# Altium PCB KS_V3S_0.2.PcbDoc
Units mil, origin at the board's own origin, x right, y up, seen from the top; angles counter-clockwise.
Board outline 1913 x 1376 mil, 2 copper layers (Top Layer, Bottom Layer), stack 61.756 mil thick; 130 components, 130 nets, 610 pads, 149 vias.
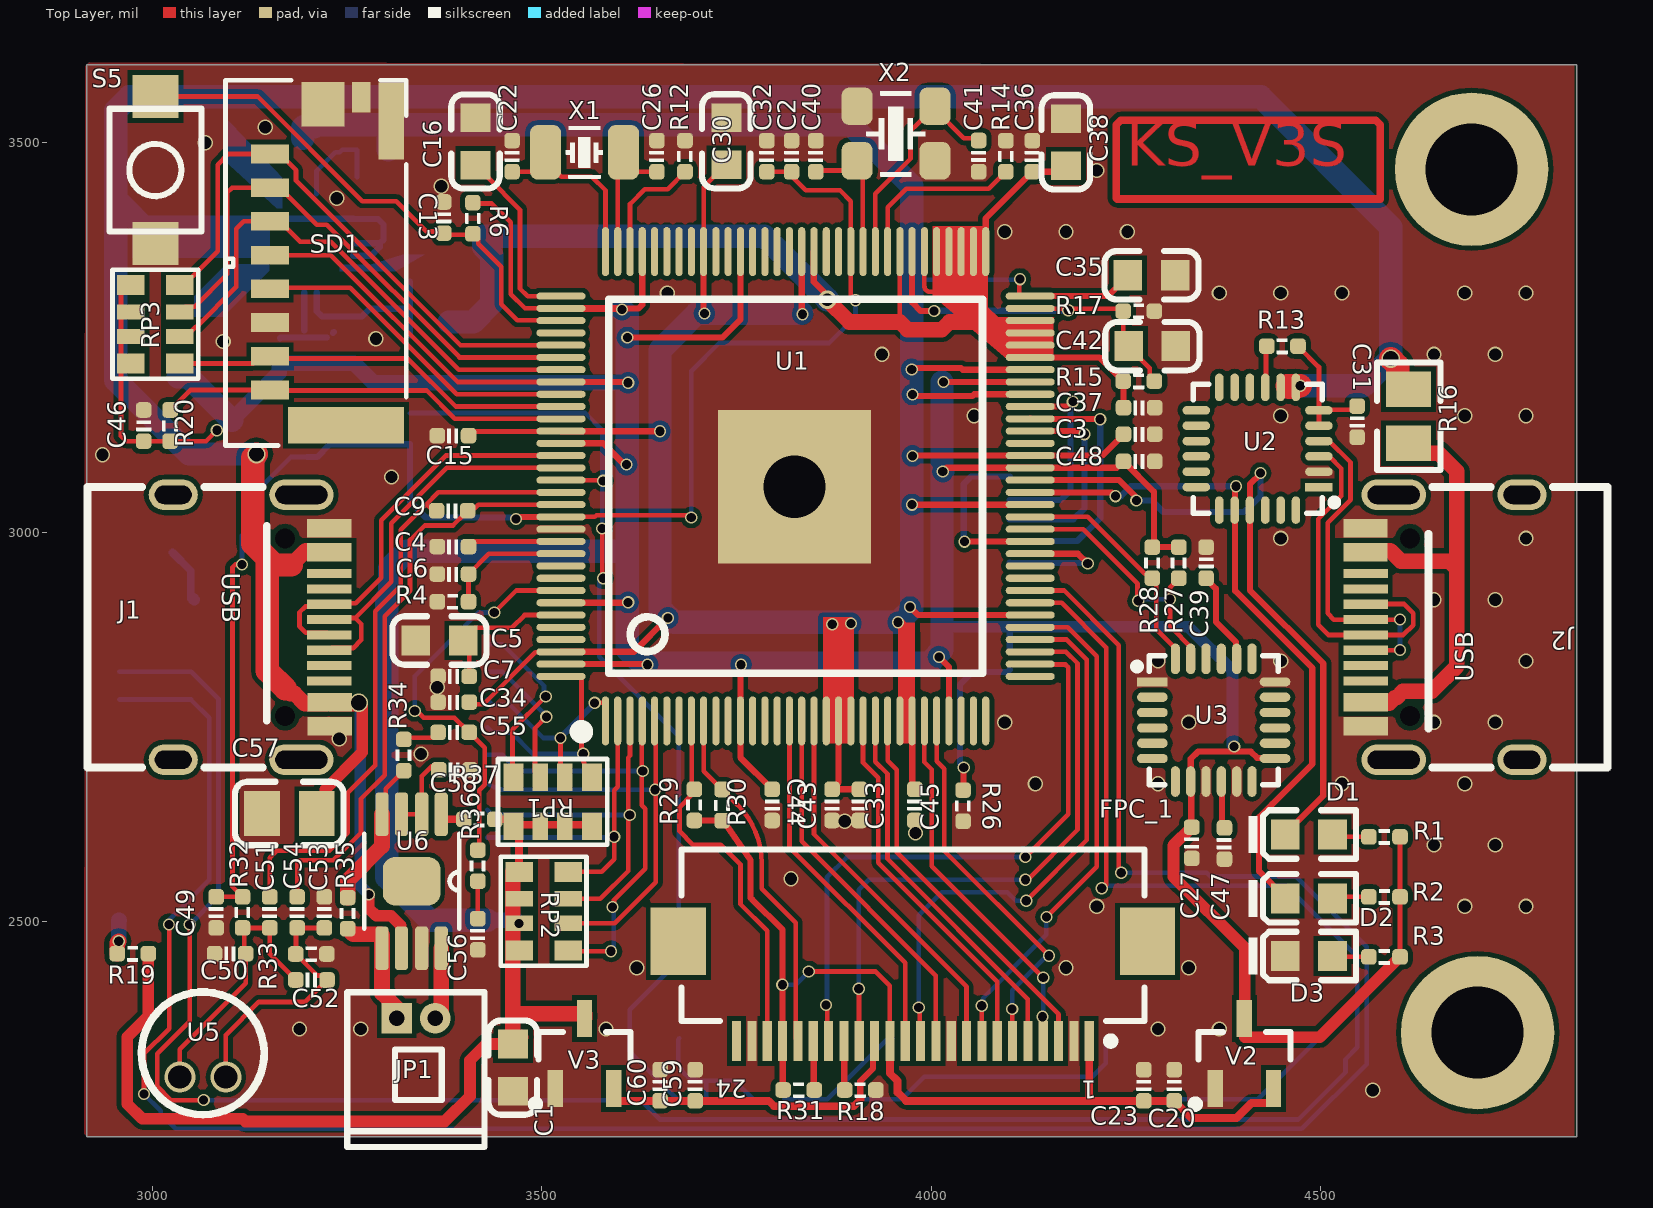
[diagram p0: Top Layer view]
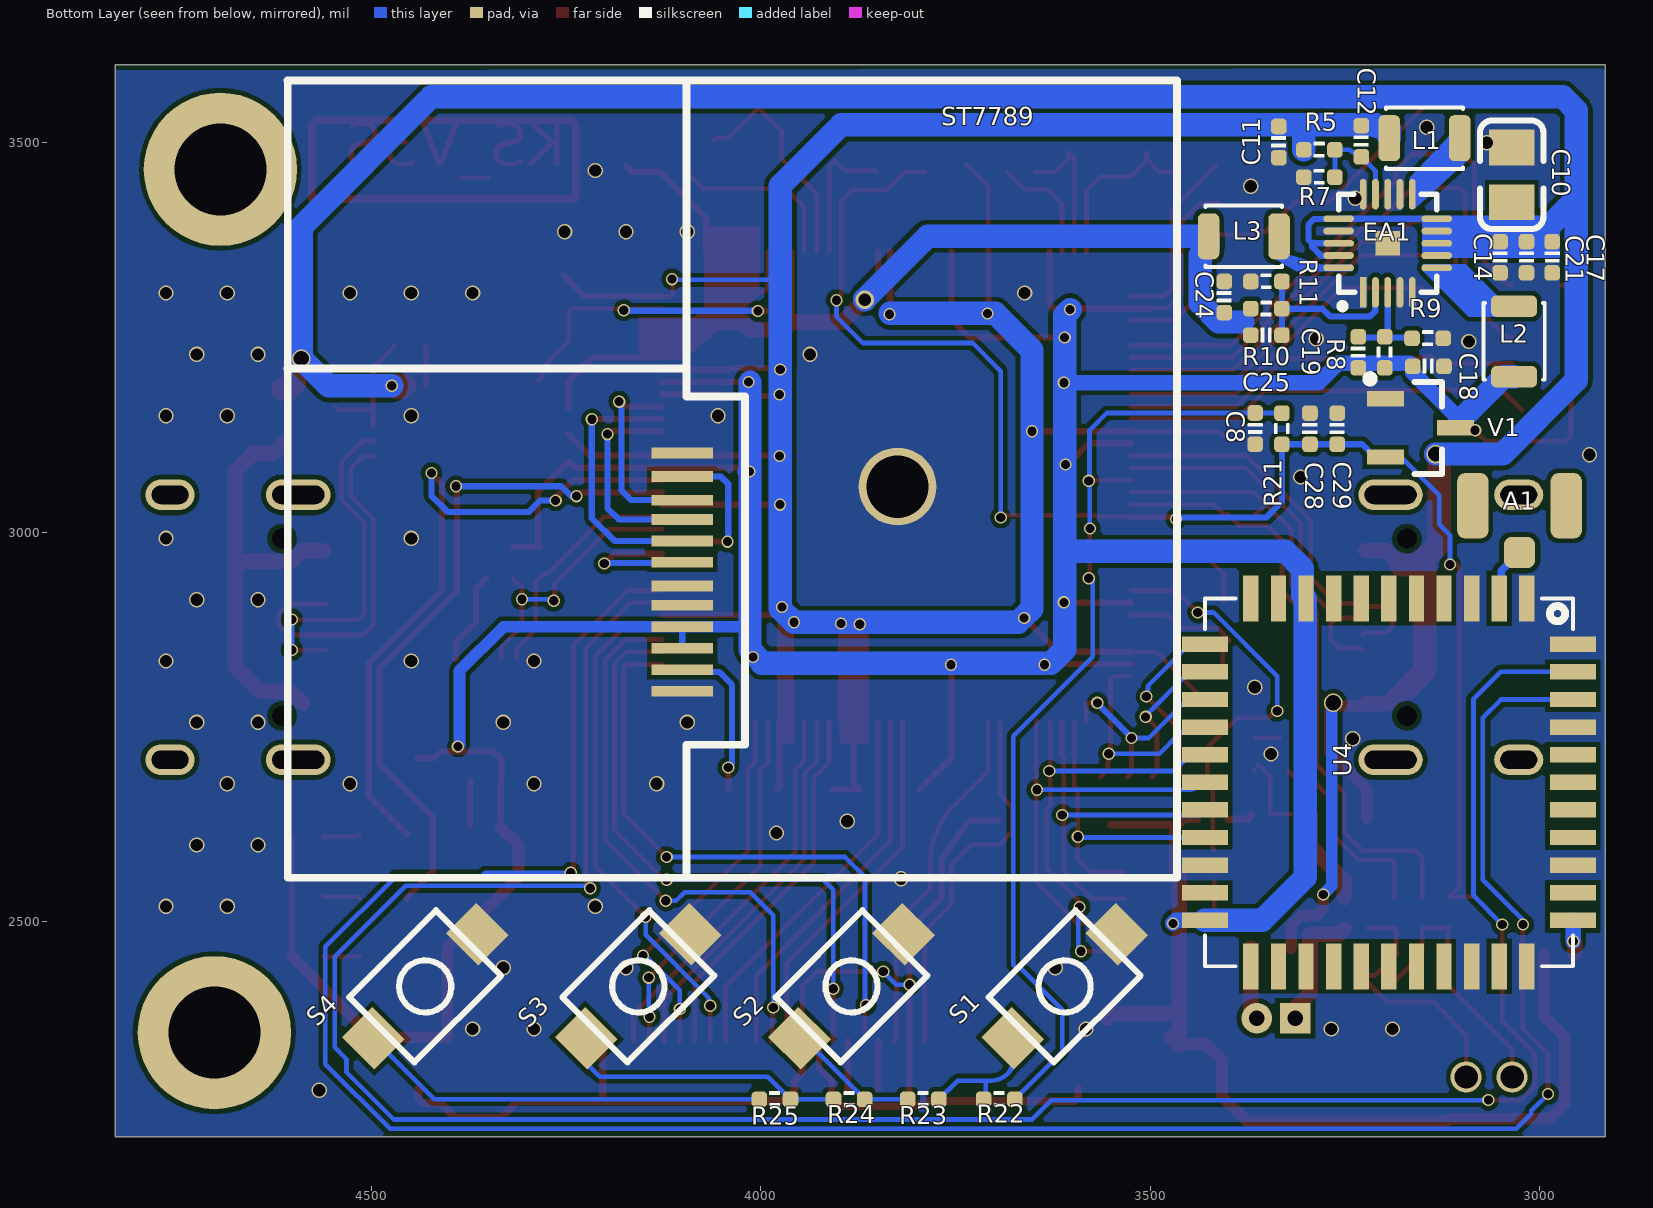
[diagram p1: Bottom Layer view, seen from below]
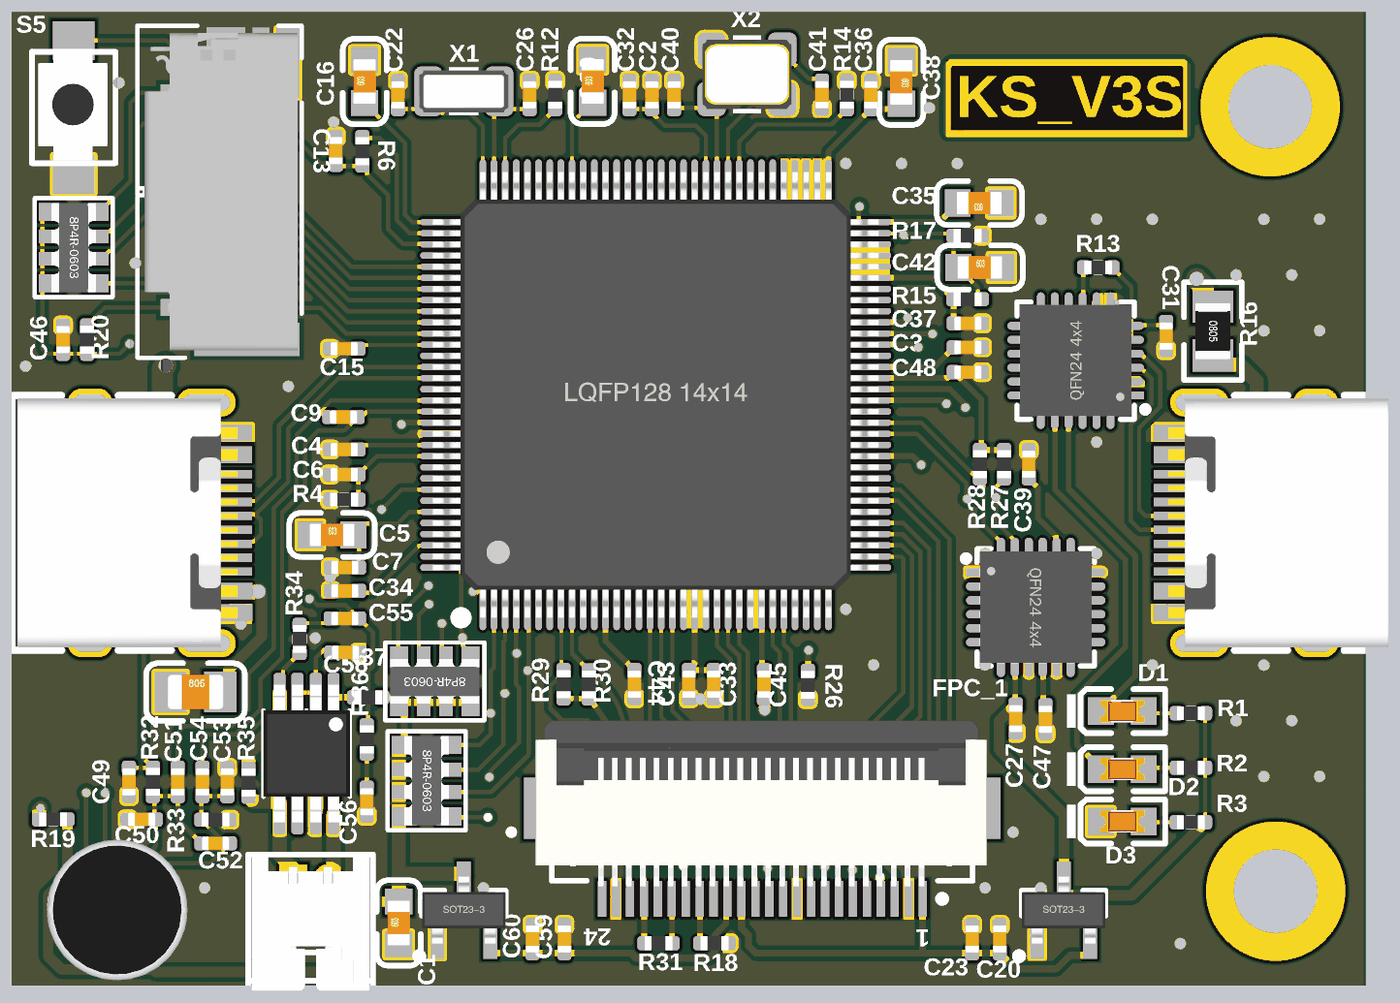
[diagram p2: 3D render of the assembled board from above, using the file's embedded part models]
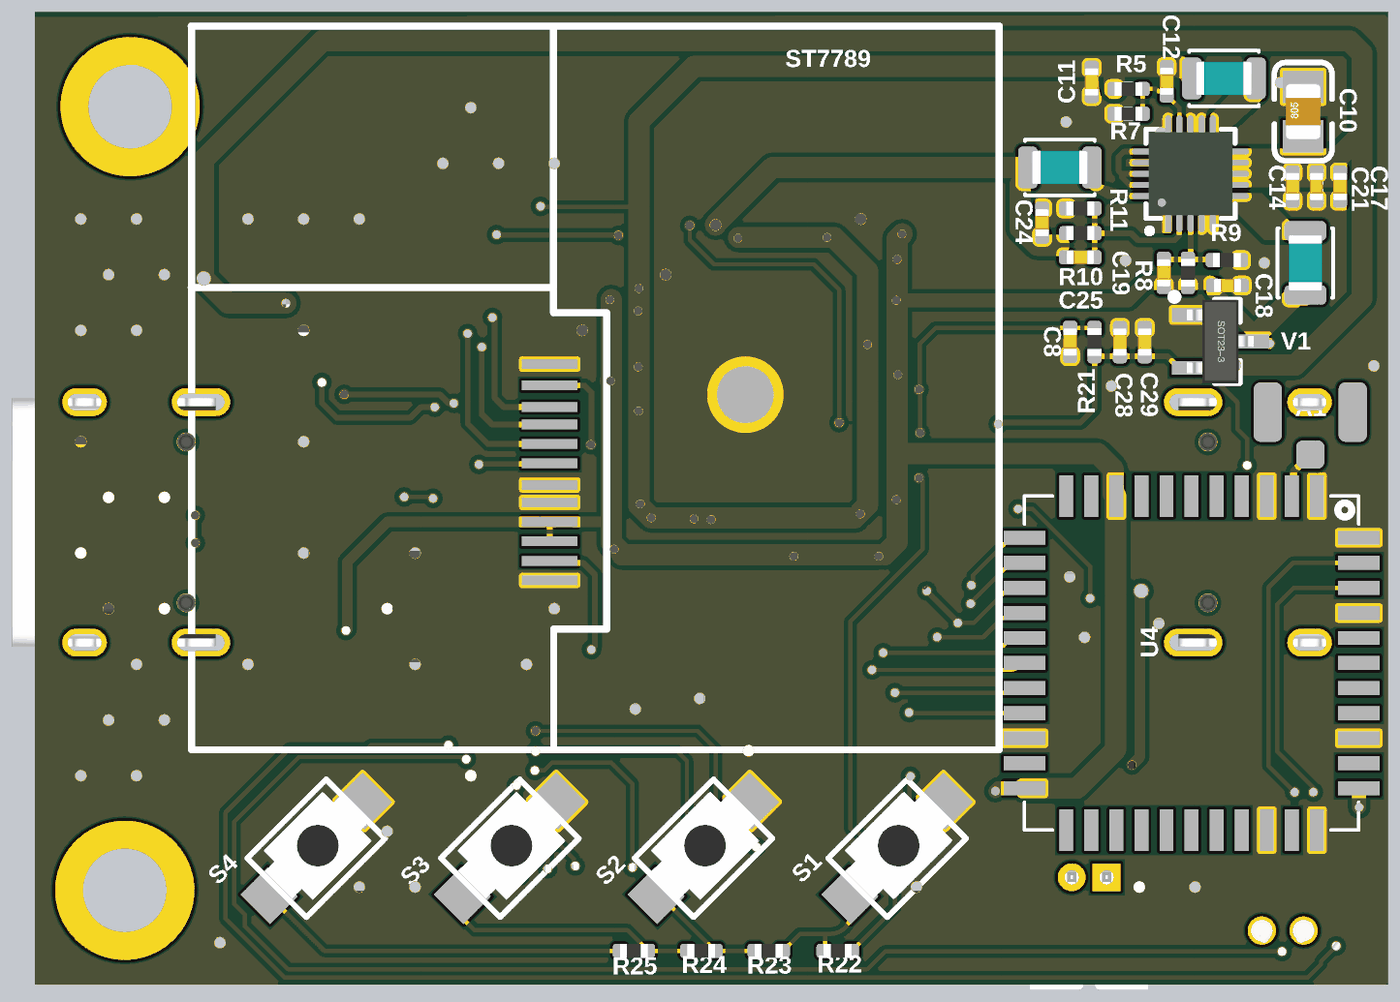
[diagram p3: 3D render of the assembled board from below, using the file's embedded part models]

## Layer stack, top to bottom
Top Solder: solder mask 1, SM-001, Dk 4
Top Layer: signal copper 1.378
Dielectric 1: core 59, Core-043, Dk 4.3
Bottom Layer: signal copper 1.378
Bottom Solder: solder mask 1, SM-001, Dk 4

## Board outline
2916,2224 4829,2224 4829,3600 2916,3600

## Design rules (kind name [scope] priority, off if disabled: settings)
Clearance [All] p1: gap=6 ignorepadtopadclearanceinfootprint=FALSE
PolygonConnect [All] p1: connectstyle=Direct reliefconductorwidth=10 reliefentries=4 polygonreliefangle="90 Angle" airgapwidth=10
RoutingVias [All] p1: holewidth=11.81 width=15.75 viastyle="Through Hole" minholewidth=11.81 minwidth=15.75 maxholewidth=11.81 maxwidth=15.75
SolderMaskExpansion [All] p1: expansion=4 istentingtop=FALSE
Width [All] p1: maxlimit=30 minlimit=6 preferedwidth=10
30 further rules are at their usual default settings.

## Components (designator, comment, footprint, x,y, rotation, side; value= is the part's Value field where it differs from the comment)
A1 "IPX_SMA" IPX_SMA 3026,3034 r270 bottom
C1 "104" 0603_C#1 3463,2313 r90 top
C2 "104" CAP_0402 3820.8,3482.87 r90 top
C3 "105" CAP_0402 4267,3126 r0 top
C4 "105" CAP_0402 3386.06,2981.67 r180 top
C5 "106" 0603_C#1 3369,2861 r0 top
C6 "106" CAP_0402 3386.06,2946.33 r180 top
C7 "104" CAP_0402 3387,2815 r0 top
C8 "106" CAP_0402 3365.43,3133.15 r270 bottom
C9 "104" CAP_0402 3385.04,3027.67 r180 top
C10 "106" 0805_C 3036,3459 r90 bottom
C11 "106" CAP_0402 3335,3501 r90 bottom
C12 "18PF" CAP_0402 3229,3502 r270 bottom
C13 "104" CAP_0402 3374.24,3404.04 r90 top
C14 "106" CAP_0402 3051,3353 r270 bottom
C15 "104" CAP_0402 3386.06,3124 r0 top
C16 "106" 0603_C#1 3415,3502 r90 top
C17 "106" CAP_0402 2984,3353 r270 bottom
C18 "106" CAP_0402 3143,3213 r0 bottom
C19 "18PF" CAP_0402 3233,3231 r90 bottom
C20 "104" CAP_0402 4312,2290 r90 top
C21 "106" CAP_0402 3017,3353 r270 bottom
C22 "10PF" CAP_0402 3462,3482.87 r90 top
C23 "106" CAP_0402 4273,2290 r90 top
C24 "106" CAP_0402 3405,3302 r270 bottom
C25 "18PF" CAP_0402 3351,3253 r180 bottom
C26 "10PF" CAP_0402 3648,3482.87 r90 top
C27 "104" CAP_0402 4334.6,2601.47 r270 top
C28 "104" CAP_0402 3295,3133 r90 bottom
C29 "106" CAP_0402 3260,3133 r90 bottom
C30 "106" 0603_C#2 3737,3502 r90 top
C31 "104" CAP_0402 4547,3142 r270 top
C32 "104" CAP_0402 3789,3482.87 r90 top
C33 "104" CAP_0402 3908,2650 r90 top
C34 "105" CAP_0402 3387,2782 r0 top
C35 "106" 0603_C#2 4283,3330 r180 top
C36 "104" CAP_0402 4130,3482.87 r270 top
C37 "105" CAP_0402 4267,3160 r180 top
C38 "106" 0603_C#2 4173.04,3500.58 r270 top
C39 "104" CAP_0402 4353,2961 r90 top
C40 "10PF" CAP_0402 3852,3482.87 r90 top
C41 "10PF" CAP_0402 4061,3483 r270 top
C42 "106" 0603_C#2 4284,3239 r0 top
C43 "104" CAP_0402 3873,2650 r90 top
C44 "104" CAP_0402 3796,2650 r90 top
C45 "104" CAP_0402 3979,2650 r90 top
C46 "104" CAP_0402 2989,3137 r270 top
C47 "104" CAP_0402 4376.6,2600.47 r90 top
C48 "104" CAP_0402 4267,3091 r180 top
C49 "1u" CAP_0402 3082,2512 r270 top
C50 "33p" CAP_0402 3100,2459 r0 top
C51 "104" CAP_0402 3151,2512 r90 top
C52 "100p" CAP_0402 3204.43,2425.22 r0 top
C53 "33p" CAP_0402 3221,2512 r270 top
C54 "104" CAP_0402 3186,2512 r90 top
C55 "330nF" CAP_0402 3387,2743 r0 top value=0.1u
C56 "0.1uF" CAP_0402 3418,2484 r90 top value=0.1u
C57 "10uF" 0805_C 3176,2639 r0 top value=0.1u
C58 "1uF" CAP_0402 3387.93,2694.98 r180 top value=0.1u
C59 "104" CAP_0402 3697,2290 r90 top
C60 "106" CAP_0402 3652,2290 r90 top
D1 "白灯 0603" 0603_LED_S1 4485,2612 r0 top
D2 "白灯 0603" 0603_LED_S1 4485,2530 r0 top
D3 "白灯 0603" 0603_LED_S1 4485,2456 r0 top
EA1 "电源管理IC" "QFN20 3x3_M" 3195.24,3371 r180 bottom
FPC_1 "FPC_24" FPC_24 3977,2479 r180 top
J1 "USB type C" "USB Type-C-16Pin_A" 3027,2878 r270 top
J2 "USB type C" "USB Type-C-16Pin_A" 4758.47,2878 r90 top
JP1 "HDR-1X2" "MX 1.25-WI-2P" 3338.61,2376 r0 top
L1 "2.2UH" 2520-L 3148,3506 r0 bottom
L2 "2.2UH" 2520-L 3033,3245 r270 bottom
L3 "2.2UH" 2520-L 3380,3380 r0 bottom
R1 "Res2" RES_0402 4582,2609 r180 top value=2K
R2 "Res2" RES_0402 4582,2532 r180 top value=2K
R3 "Res2" RES_0402 4582,2455 r180 top value=2K
R4 "Res2" RES_0402 3386.06,2911 r180 top value=200K
R5 "Res2" RES_0402 3283,3491 r0 bottom value=110K
R6 "Res2" RES_0402 3411.72,3403.1 r90 top value=10K
R7 "Res2" RES_0402 3283,3456 r180 bottom value=110K
R8 "Res2" RES_0402 3199,3231 r270 bottom value=680K
R9 "Res2" RES_0402 3144,3249 r0 bottom value=150K
R10 "Res2" RES_0402 3351,3287 r0 bottom value=300K
R11 "Res2" RES_0402 3351,3322 r180 bottom value=150K
R12 "Res2" RES_0402 3684,3482.87 r270 top value=1K
R13 "10K" RES_0402 4451,3239 r0 top
R14 "Res2" RES_0402 4096,3482.87 r270 top value=240
R15 "Res2" RES_0402 4266.63,3194 r0 top value=2K
R16 "1A保险丝" LC-0805_R 4613,3149 r270 top value=10K
R17 "Res2" RES_0402 4266.63,3284 r180 top value=2K
R18 "Res2" RES_0402 3909,2284 r0 top value=10k
R19 "Res2" RES_0402 2975,2459 r180 top value=10k
R20 "Res2" RES_0402 3023,3137 r90 top value=10k
R21 "100K-1%" RES_0402 3331,3133 r90 bottom
R22 "6K8-1%" RES_0402 3694,2272 r180 bottom
R23 "8k2-1%" RES_0402 3791.5,2272 r180 bottom
R24 "10K-1%" RES_0402 3886.75,2272 r180 bottom
R25 "11K-1%" RES_0402 3982,2272 r180 bottom
R26 "Res2" RES_0402 4041,2649 r270 top value=10
R27 "Res2" RES_0402 4318,2961 r90 top value=10k
R28 "Res2" RES_0402 4284,2961 r90 top value=10k
R29 "Res2" RES_0402 3696,2650 r270 top value=10k
R30 "Res2" RES_0402 3731.64,2649.77 r270 top value=10k
R31 "Res2" RES_0402 3830,2284 r0 top value=10k
R32 "Res2" RES_0402 3116,2512 r90 top value=2K
R33 "Res2" RES_0402 3204.2,2458.6 r0 top value=2K
R34 "20K" RES_0402 3323,2714 r270 top value=22R
R35 "75K" RES_0402 3251,2511 r270 top value=22R
R36 "22R" RES_0402 3418,2572 r90 top
R37 "20K" RES_0402 3420,2631.5 r180 top value=22R
RP1 "10K" RCA-8P4R-0603 3514,2654 r180 top
RP2 "10K" RCA-8P4R-0603 3502.5,2513.61 r270 top
RP3 "10K" RCA-8P4R-0603 3004,3267 r270 top
S1 "VOL+" KEY_1 3610,2417 r315 bottom
S2 "VOL-" KEY_1 3883.67,2417 r315 bottom
S3 "SELECT" KEY_1 4157.33,2417 r315 bottom
S4 "START" KEY_1 4431,2417 r315 bottom
S5 "RESET" KEY_1 3004,3465 r270 top
SD1 "micro SD" "TF卡座 短体 molex47309-2851_MOL" 3210,3346 r90 top
ST7789 "ST7789V_1.3" ST7789V_12Pin 4095.49,3088.56 r180 bottom
U1 "V3S_1" "LQFP129 14x14_N" 3826,3059 r0 top
U2 "CP2102N" "QFN24 4x4_N" 4419.16,3107.26 r90 top
U3 "MPU6050" "QFN24 4x4_M" 4362.76,2758.73 r270 top
U4 "RTL8723BS_Module" R8723BS 3190.78,2675 r270 bottom
U5 "MIC" MIC-0416 3065,2331 r270 top
U6 "LM4890" MSOP-8 3333,2552 r270 top
V1 "XC6206 3V0" SOT23-3N 3153,3134 r270 bottom
V2 "XC6206 2V8" SOT23-3N 4402.21,2330.84 r0 top
V3 "XC6206 1V5" SOT23-3N 3555,2330.84 r0 top
X1 "32.768kHz" XT_3215_2 3555,3487.87 r180 top
X2 "26MHz" XT_3225_4 3955,3511.87 r0 top

## Footprints (in the part's own frame and the unit in brackets; to place one, negate y for a bottom-side part, rotate by r counter-clockwise, add the part's x,y. Pads: shape width x height; smd on the part's side, far side on the other; paste and mask are expansions set on the pad)
0603_C#1 [mm]
  rect 0.93x0.98 smd: 1(-0.778,0) 2(0.762,0)
  silkscreen extent -1.54,-0.79 1.53,0.79, body extent -0.81,-0.4 0.79,0.4, height 0.3
0603_C#2 [mm]
  rect 0.93x0.98 smd: 1(-0.77,0) 2(0.77,0)
  silkscreen extent -1.53,-0.79 1.54,0.79, body extent -0.8,-0.4 0.8,0.4, height 0.3
0603_LED_S1 [mm]
  rect 0.93x0.98 smd: A(0.77,0) K(-0.77,0)
  silkscreen extent -1.98,-0.79 1.54,0.79, body extent -0.8,-0.4 0.8,0.4, height 0.6
0805_C [mm]
  rect 1.16x1.47 smd: 1(-0.89,0) 2(0.89,0)
  silkscreen extent -1.77,-1.04 1.77,1.04, body extent -1,-0.63 1,0.63, height 0.77
2520-L [mm]
  rrect50% 0.7x1.5 smd: 1(-1.15,0) 2(1.15,0)
  silkscreen extent -1.25,-1 1.25,1, body extent -1,-0.6 1,0.6, height 0.92
CAP_0402 [mil]
  rrect50% 20x20 smd: 1(-20,0) 2(20,0)
  silkscreen extent -7,-9 7,9, body extent -20,-10 20,10, height 20
FPC_24 [mm]
  rect 0.3x1.3 smd: 1(-5.739,3.359) 2(-5.239,3.359) 3(-4.739,3.359) 4(-4.239,3.359) 5(-3.739,3.359) 6(-3.239,3.359) 7(-2.739,3.359) 8(-2.239,3.359) 9(-1.739,3.359) 10(-1.239,3.359) 11(-0.739,3.359) 12(-0.239,3.359) 13(0.261,3.359) 14(0.761,3.359) 15(1.261,3.359) 16(1.761,3.359) 17(2.261,3.359) 18(2.761,3.359) 19(3.261,3.359) 20(3.761,3.359) 21(4.261,3.359) 22(4.761,3.359) 23(5.261,3.359) 24(5.761,3.359)
  rect 1.8x2.2 smd: 25(-7.639,0.109) 26(7.661,0.109)
  silkscreen extent -7.54,-2.89 7.56,3.48, body extent -8.05,-3.05 8.15,2.95, height 2
IPX_SMA [mil]
  rrect50% 40x40 smd: 1(60,0)
  rrect50% 84x40 smd: 2(0,-60) 2(0,60)
KEY_1 [mm]
  rect 1.4x1.5 smd: 1(-2.4,0) 2(2.4,0)
  silkscreen extent -2.01,-1.5 2,1.5, body extent -2.11,-1.28 1.89,1.22, height 1.6
LC-0805_R [mm]
  rect 1.16x1.47 smd: 1(-0.875,0) 2(0.875,0)
  silkscreen extent -1.76,-1.04 1.76,1.03, body extent -1,-0.62 1,0.63, height 0.49
"LQFP129 14x14_N" [mm] "129脚，体宽：14x14mm, 脚距：0.4mm"
  oval 0.23x1.6 smd: 1(-6.2,-7.648) 2(-5.8,-7.648) 3(-5.4,-7.648) 4(-5,-7.648) 5(-4.6,-7.648) 6(-4.2,-7.648) 7(-3.8,-7.648) 8(-3.4,-7.648) 9(-3,-7.648) 10(-2.6,-7.648) 11(-2.2,-7.648) 12(-1.8,-7.648) 13(-1.4,-7.648) 14(-1,-7.648) 15(-0.6,-7.648) 16(-0.2,-7.648) 17(0.2,-7.648) 18(0.6,-7.648) 19(1,-7.648) 20(1.4,-7.648) 21(1.8,-7.648) 22(2.2,-7.648) 23(2.6,-7.648) 24(3,-7.648) 25(3.4,-7.648) 26(3.8,-7.648) 27(4.2,-7.648) 28(4.6,-7.648) 29(5,-7.648) 30(5.4,-7.648) 31(5.8,-7.648) 32(6.2,-7.648) 65(6.2,7.653) 66(5.8,7.653) 67(5.4,7.653) 68(5,7.653) 69(4.6,7.653) 70(4.2,7.653) 71(3.8,7.653) 72(3.4,7.653) 73(3,7.653) 74(2.6,7.653) 75(2.2,7.653) 76(1.8,7.653) 77(1.4,7.653) 78(1,7.653) 79(0.6,7.653) 80(0.2,7.653) 81(-0.2,7.653) 82(-0.6,7.653) 83(-1,7.653) 84(-1.4,7.653) 85(-1.8,7.653) 86(-2.2,7.653) 87(-2.6,7.653) 88(-3,7.653) 89(-3.4,7.653) 90(-3.8,7.653) 91(-4.2,7.653) 92(-4.6,7.653) 93(-5,7.653) 94(-5.4,7.653) 95(-5.8,7.653) 96(-6.2,7.653)
  oval 1.6x0.23 smd: 33(7.651,-6.198) 34(7.651,-5.798) 35(7.651,-5.398) 36(7.651,-4.998) 37(7.651,-4.598) 38(7.651,-4.198) 39(7.651,-3.798) 40(7.651,-3.398) 41(7.651,-2.998) 42(7.651,-2.598) 43(7.651,-2.198) 44(7.651,-1.798) 45(7.651,-1.398) 46(7.651,-0.998) 47(7.651,-0.598) 48(7.651,-0.198) 49(7.651,0.202) 50(7.651,0.602) 51(7.651,1.002) 52(7.651,1.402) 53(7.651,1.802) 54(7.651,2.202) 55(7.651,2.602) 56(7.651,3.002) 57(7.651,3.402) 58(7.651,3.802) 59(7.651,4.202) 60(7.651,4.602) 61(7.651,5.002) 62(7.651,5.402) 63(7.651,5.802) 64(7.651,6.202) 97(-7.651,6.202) 98(-7.651,5.802) 99(-7.651,5.402) 100(-7.651,5.002) 101(-7.651,4.602) 102(-7.651,4.202) 103(-7.651,3.802) 104(-7.651,3.402) 105(-7.651,3.002) 106(-7.651,2.602) 107(-7.651,2.202) 108(-7.651,1.802) 109(-7.651,1.402) 110(-7.651,1.002) 111(-7.651,0.602) 112(-7.651,0.202) 113(-7.651,-0.198) 114(-7.651,-0.598) 115(-7.651,-0.998) 116(-7.651,-1.398) 117(-7.651,-1.798) 118(-7.651,-2.198) 119(-7.651,-2.598) 120(-7.651,-2.998) 121(-7.651,-3.398) 122(-7.651,-3.798) 123(-7.651,-4.198) 124(-7.651,-4.598) 125(-7.651,-4.998) 126(-7.651,-5.398) 127(-7.651,-5.798) 128(-7.651,-6.198)
  rect 5x5 smd: 129(-0.038,-0.01)
  silkscreen extent -7.11,-8.13 6.1,6.1, body extent -8,-8 8,8.01, height 1.45
MIC-0416 [mil]
  round 40 hole 30: 1(30.43,29.53) 2(30.43,-29.53)
  silkscreen extent -79,-79 79,79, body extent -99,-99 99,100, height 102
MSOP-8 [mil]
  rrect50% 56x17 smd: 1(-86,38) 2(-86,13) 3(-86,-13) 4(-86,-38) 5(86,-38) 6(86,-13) 7(86,13) 8(86,38)
  rrect50% 62x74 smd: 9(0,0)
  silkscreen extent -61,-61 61,61, body extent -97,-61 97,61, height 45
"MX 1.25-WI-2P" [mm] "长：4.25mm，宽：1.8mm，高：3.3mm"
  rect 1x1 hole 0.5: 1(-0.625,0)
  round 1 hole 0.5: 2(0.625,0)
  silkscreen extent -2.24,-4.19 2.24,0.85, body extent -2.12,-4.05 2.12,0.85, height 3.35
"QFN20 3x3_M" [mm] "20脚，长x宽x高：3x3x0.8mm，脚距：0.4mm"
  rect 0.22x1 smd: 1(-0.8,-1.6)
  oval 0.22x1 smd: 2(-0.4,-1.6) 3(0,-1.6) 4(0.4,-1.6) 5(0.8,-1.6) 11(0.8,1.6) 12(0.4,1.6) 13(0,1.6) 14(-0.4,1.6) 15(-0.8,1.6)
  oval 1x0.22 smd: 6(1.6,-0.8) 7(1.6,-0.4) 8(1.6,0) 9(1.6,0.4) 10(1.6,0.8) 16(-1.6,0.8) 17(-1.6,0.4) 18(-1.6,0) 19(-1.6,-0.4) 20(-1.6,-0.8)
  rect 0.8x0.8 smd: 21(0,0)
  silkscreen extent -1.6,-2.12 1.6,1.6, body extent -1.51,-1.51 1.51,1.51, height 0.75
"QFN24 4x4_M" [mm] "24脚，长x宽x高：4x4x1mm，脚距：0.5mm"
  rect 0.3x1 smd: 1(-1.25,-2)
  oval 0.3x1 smd: 2(-0.75,-2) 3(-0.25,-2) 4(0.25,-2) 5(0.75,-2) 6(1.25,-2) 13(1.25,2) 14(0.75,2) 15(0.25,2) 16(-0.25,2) 17(-0.75,2) 18(-1.25,2)
  oval 1x0.3 smd: 7(2,-1.25) 8(2,-0.75) 9(2,-0.25) 10(2,0.25) 11(2,0.75) 12(2,1.25) 19(-2,1.25) 20(-2,0.75) 21(-2,0.25) 22(-2,-0.25) 23(-2,-0.75) 24(-2,-1.25)
  silkscreen extent -2.11,-2.6 2.11,2.11, body extent -2.01,-2.01 2.01,2.01, height 0.95
"QFN24 4x4_N" [mm] "24脚，长x宽x高：4x4x1mm，脚距：0.5mm"
  rect 0.28x0.9 smd: 1(-1.25,-2)
  oval 0.28x0.9 smd: 2(-0.75,-2) 3(-0.25,-2) 4(0.25,-2) 5(0.75,-2) 6(1.25,-2) 13(1.25,2) 14(0.75,2) 15(0.25,2) 16(-0.25,2) 17(-0.75,2) 18(-1.25,2)
  oval 0.9x0.28 smd: 7(2,-1.25) 8(2,-0.75) 9(2,-0.25) 10(2,0.25) 11(2,0.75) 12(2,1.25) 19(-2,1.25) 20(-2,0.75) 21(-2,0.25) 22(-2,-0.25) 23(-2,-0.75) 24(-2,-1.25)
  silkscreen extent -2.11,-2.6 2.11,2.11, body extent -2.01,-2.01 2.01,2.01, height 0.95
R8723BS [mm]
  rect 1.5x0.5 smd: 1(-6.102,4.424) 2(-6.102,3.524) 3(-6.102,2.624) 4(-6.102,1.724) 5(-6.102,0.824) 6(-6.102,-0.076) 7(-6.102,-0.976) 8(-6.102,-1.876) 9(-6.102,-2.776) 10(-6.102,-3.676) 11(-6.102,-4.576) 23(5.898,-4.576) 24(5.898,-3.676) 25(5.898,-2.776) 26(5.898,-1.876) 27(5.898,-0.976) 28(5.898,-0.076) 29(5.898,0.824) 30(5.898,1.724) 31(5.898,2.624) 32(5.898,3.524) 33(5.898,4.424)
  rect 0.5x1.5 smd: 12(-4.602,-6.076) 13(-3.702,-6.076) 14(-2.802,-6.076) 15(-1.902,-6.076) 16(-1.002,-6.076) 17(-0.102,-6.076) 18(0.798,-6.076) 19(1.698,-6.076) 20(2.598,-6.076) 21(3.498,-6.076) 22(4.398,-6.076) 34(4.398,5.924) 35(3.498,5.924) 36(2.598,5.924) 37(1.698,5.924) 38(0.798,5.924) 39(-0.102,5.924) 40(-1.002,5.924) 41(-1.902,5.924) 42(-2.802,5.924) 43(-3.702,5.924) 44(-4.602,5.924)
  silkscreen extent -6.1,-6.08 5.9,5.92, body extent -6.1,-6.08 5.9,5.92, height 1.6
RCA-8P4R-0603 [mm] "3.2mm*1.6mm*0.6mm(长*宽*厚)"
  rect 0.65x0.9 smd: 1(-1.28,-0.8) 4(1.28,-0.8) 5(1.28,0.8) 8(-1.28,0.8)
  rect 0.5x0.9 smd: 2(-0.4,-0.8) 3(0.4,-0.8) 6(0.4,0.8) 7(-0.4,0.8)
  silkscreen extent -1.78,-1.4 1.78,1.4, body extent -1.6,-0.8 1.6,0.8, height 0.6
RES_0402 [mil]
  rrect50% 20x20 smd: 1(-20,0) 2(20,0)
  silkscreen extent -7,-10 7,10, body extent -20,-10 20,10, height 14
SOT23-3N [mm] "3x1.3x1mm(长宽高)"
  rect 0.5x1.2 smd: 1(-0.95,-1.143) 2(0.95,-1.143) 3(0,1.143)
  silkscreen extent -1.72,-1.78 1.5,0.7, body extent -1.5,-1.2 1.5,1.2, height 1.05
ST7789V_12Pin [mm]
  rect 2x0.35 smd: 1(-0.14,-7.431) 2(-0.14,-6.731) 3(-0.14,-6.031) 4(-0.14,-5.331) 5(-0.14,-4.631) 6(-0.14,-4.001) 7(-0.14,-3.231) 8(-0.14,-2.531) 9(-0.14,-1.831) 10(-0.14,-1.201) 11(-0.14,-0.431) 12(-0.14,0.339)
  silkscreen extent -13.01,-13.52 16,12.48
"TF卡座 短体 molex47309-2851_MOL" [mil]
  rect 24x49 smd paste+0 mask+0: 1(139.76,58.83) 2(96.46,58.83) 3(53.15,58.83) 4(9.84,58.83) 5(-33.46,58.83) 6(-76.77,58.83) 7(-120.08,58.83) 8(-163.39,58.83)
  rect 47x149 smd paste+0 mask+0: 9(-208.66,-38.8)
  rect 98.43x33 smd: 10(182.09,-96.68)
  rect 57x55 smd paste+0 mask+0: 10(203.74,-9.08)
  rect 39x24 smd paste+0 mask+0: 10(212.6,-58.29)
  silkscreen extent -234,-116 234,116, body extent -224,-111 224,106, height 102
"USB Type-C-16Pin_A" [mm]
  round 0 hole 0.65: 0(-2.89,3.65) 0(2.89,3.65)
  oval 1x2.1 hole 0.6 slot 1.7 at 90 deg: 1(-4.32,4.18) 1(4.32,4.18)
  oval 1x1.6 hole 0.6 slot 1.2 at 90 deg: 1(-4.32,0) 1(4.32,0)
  rect 0.3x1.45 smd: A1(-3.375,5.092) A4(-2.6,5.092) A5(-1.25,5.092) A6(-0.25,5.092) A7(0.25,5.092) A8(-1.75,5.092) A9(2.6,5.1) A12(3.375,5.1) B1(3.075,5.1) B4(2.3,5.1) B5(1.75,5.092) B6(0.75,5.092) B7(-0.75,5.092) B8(1.25,5.092) B9(-2.3,5.092) B12(-3.075,5.092)
  silkscreen extent -4.57,-2.79 4.57,3.05, body extent -4.47,-2.6 4.47,5.3, height 3.25
XT_3215_2 [mil]
  rrect50% 40x70 smd: 1(-50,0) 2(50,0)
  silkscreen extent -24,-34 24,34, body extent -63,-30 63,30, height 35
XT_3225_4 [mil]
  rrect50% 40x48 smd: 1(-50,-35) 2(50,-35) 3(50,35) 4(-50,35)
  silkscreen extent -38,-54 38,54, body extent -63,-49 63,49, height 41
